# Altium PCB PA.PcbDoc (part 3 of 3)
Units mm, origin at the board's own origin, x right, y up, seen from the top; angles counter-clockwise.
Board outline 226 x 90 mm, 2 copper layers (Top Layer, Bottom Layer), stack 1.571 mm thick; 288 components, 121 nets, 837 pads, 1182 vias.
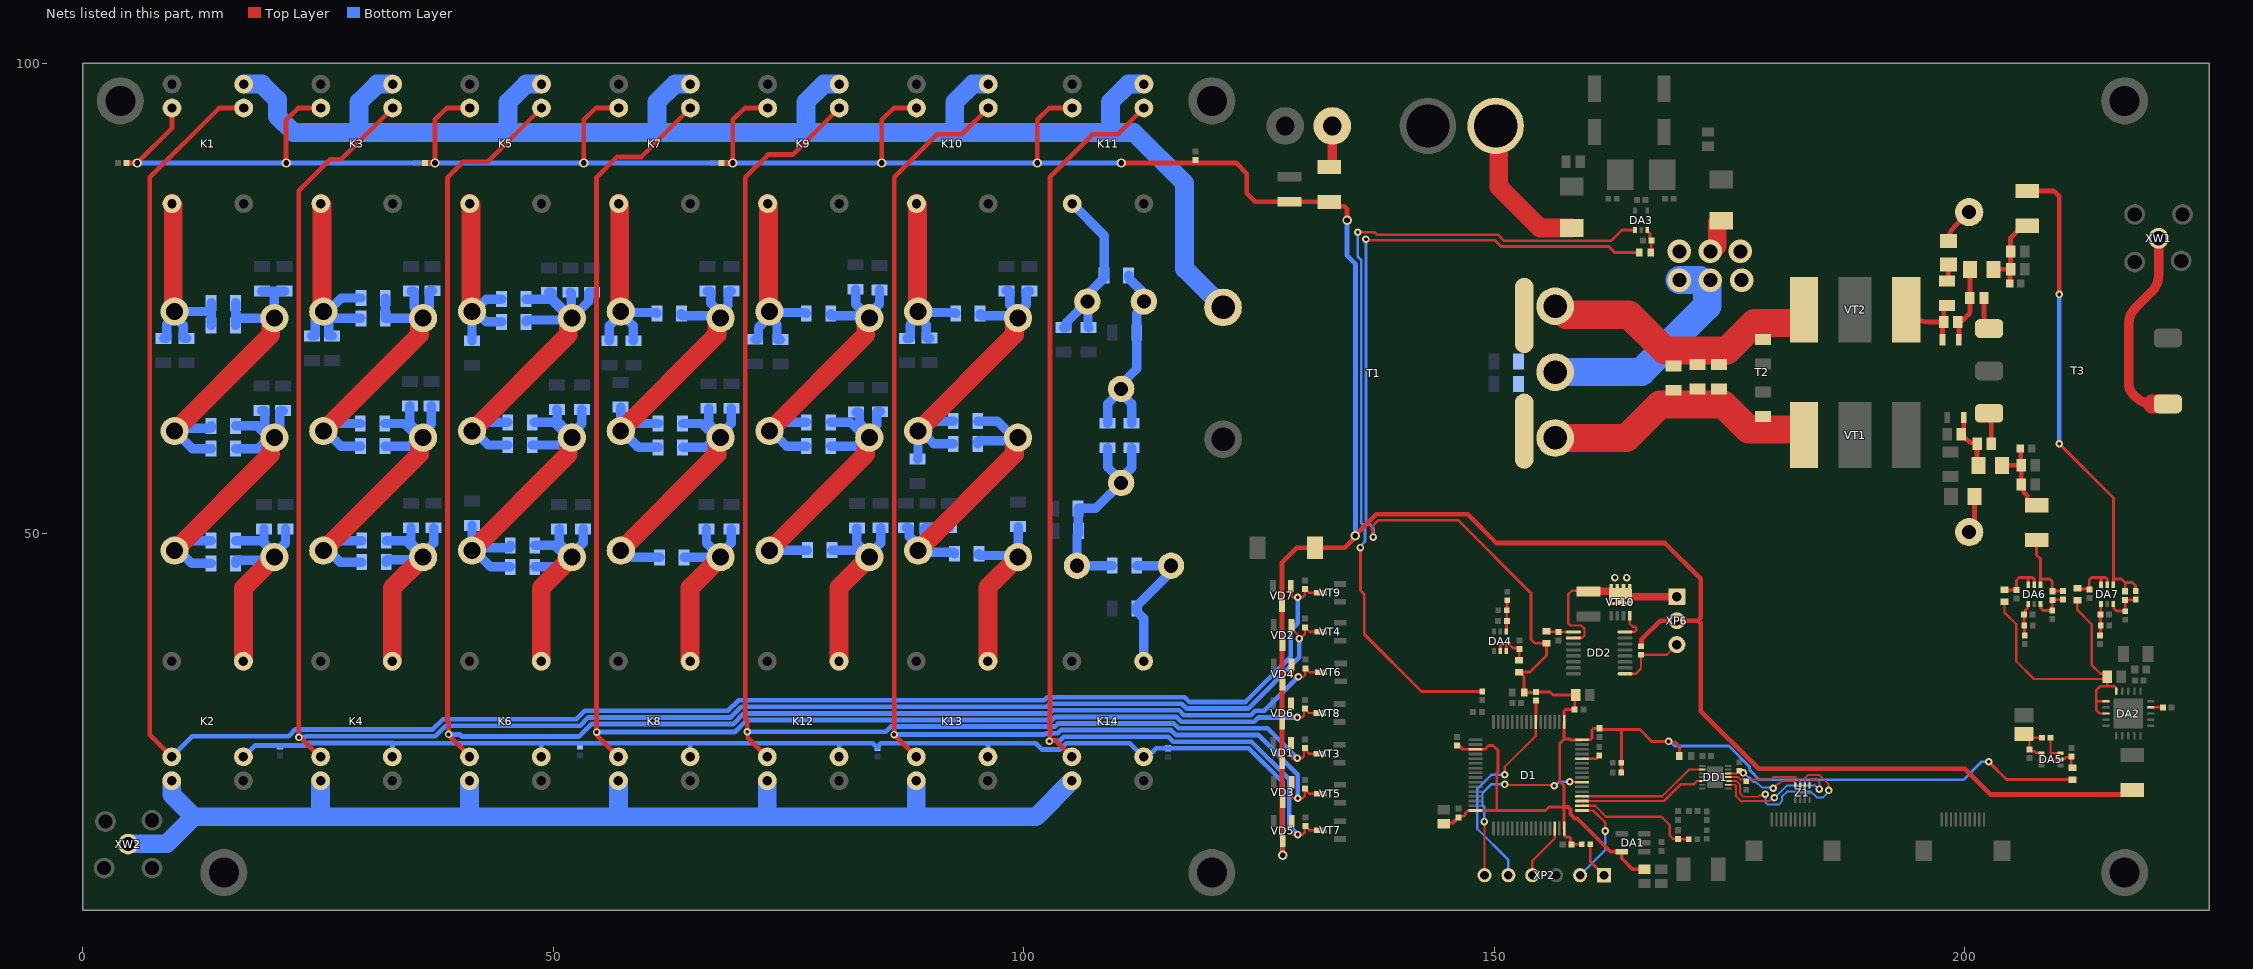
[diagram p3: the nets of this part, all layers, seen from the top]

## Via types
v1: diameter 0.8, hole 0.4, Top Layer to Bottom Layer, tented both sides, 1143 vias
v2: diameter 1, hole 0.6, Top Layer to Bottom Layer, tented both sides, 12 vias
v3: diameter 0.8, hole 0.4, Top Layer to Bottom Layer, 11 vias
v4: diameter 2.5, hole 1.5, Top Layer to Bottom Layer, tented both sides, 10 vias
v5: diameter 2.5, hole 1.5, Top Layer to Bottom Layer, 6 vias

## Nets (pads, with @x,y where several pads share a name; then routed paths per layer and width w, separated by ;. In a path a pad name is that pad's centre, name@x,y a point inside that pad or via, vN(x,y) a via of type N, cw(c..) or ccw(c..) an arc to the next point about the centre after c; other vN are vias at no path point) (continued)
NetC28_2: C28.2 DA3.3 L7.2 | length 2.6
  Top Layer w0.3: DA3.3@166.272,82.287 166.272,82.162 166.547,81.887 166.547,81.323 C28.2@166.717,81.153 166.692,81.127 166.692,79.908 L7.2@166.666,79.883
NetC29_2: C29.2 C36.1 R20.1 R22.1 | length 6.2
  Top Layer w0.5: R20.1@199.898,62.357 199.898,61.187 cw(c199.038,61.187) C29.2@199.646,60.579 200.196,60.029 ccw(c201.321,61.154) C36.1@201.321,59.563 201.321,57.603 ccw(c201.782,57.603) R22.1@201.456,57.277
NetC30_2: C30.2 C31.2 C32.2 C33.2 T1.1 T2.1 VT1.3 | length 29.6
  Top Layer w3: T2.1@156.478,60.183 164.069,60.183 167.64,63.754 169.037,63.754 173.877,63.754 174.371,63.754 177.038,61.087 182.915,61.087 VT1.3@182.915,60.482
NetC31_1: C31.1 C32.1 C33.1 C35.2 T1.2 T2.3 VT2.1 | length 31
  Top Layer w3: T2.3@156.504,74.202 156.73,74.202 157.653,73.279 164.338,73.279 168.148,69.469 174.752,69.469 177.673,72.39 182.915,72.39 VT2.1@182.915,73.803
NetC34_1: C34.1 C45.2 R21.2 VT2.3 | length 8.2
  Top Layer w0.5: VT2.3@193.795,73.803 194.337,73.261 ccw(c196.133,75.057) 196.133,72.517 C34.1@197.777,72.517 ; R21.2@197.64,70.612 197.64,72.186 cw(c198.108,72.186) C34.1@197.777,72.517 ; C45.2@198.134,74.265 ccw(c198.996,73.403) 197.777,73.403 C34.1@197.777,72.517
NetC34_2: C34.2 C44.1 R21.1 R23.1 | length 8.2
  Top Layer w0.5: R21.1@199.39,70.612 199.39,72.244 ccw(c199.004,72.244) C34.2@199.277,72.517 ccw(c199.277,73.403) 199.904,72.777 200.406,73.279 ccw(c200.037,73.648) 200.559,73.648 C44.1@200.559,75.057 200.567,75.065 R23.1@200.567,78.105
NetC36_2: C36.2 T3.1 | length 3.3
  Top Layer w0.5: T3.1@202.596,62.81 cw(c202.053,62.267) 202.821,62.267 C36.2@202.821,59.563
NetC37_2: C37.2 C38.2 C43.2 L8.2 R22.2 | length 9.1
  Top Layer w0.5: R22.2@203.956,57.277 C38.2@206.02,57.277 ; C43.2@205.916,59.055 205.968,59.003 205.968,57.329 C38.2@206.02,57.277 ; L8.2@207.659,53.031 207.159,53.031 206.659,53.531 206.659,54.031 206.27,54.42 206.27,54.995 C37.2@206.02,55.245 C38.2@206.02,57.277
NetC39_2: C39.2 C40.2 C142.2 L34.2 R23.2 | length 9
  Top Layer w0.5: R23.2@203.067,78.105 C39.2@204.877,78.105 ; C142.2@204.773,76.581 204.825,76.633 204.825,78.053 C39.2@204.877,78.105 ; L34.2@206.643,82.732 206.143,82.732 204.877,81.466 C40.2@204.877,80.01 C39.2@204.877,78.105
NetC41_2: C41.2 C42.2 L6.2 T2.2 | length 28.1
  Top Layer w2: v5(172.988,80.01) 173.146,80.01 173.713,80.577 L6.2@173.713,83.053
  Bottom Layer w2: T2.2@156.224,66.929 T2.2@156.478,67.183
  Bottom Layer w3: T2.2@156.478,67.183 165.622,67.183 172.636,74.197 172.636,76.171 171.845,76.962 v5(169.686,76.962)
  other v5: 172.988,76.962 176.29,76.962 169.686,80.01 176.163,80.01
NetC44_2: C44.2 T3.3 | length 3.4
  Top Layer w0.5: C44.2@202.059,75.057 202.059,73.106 ccw(c203.893,73.106) T3.3@202.596,71.81
NetC45_1: C45.1 R26.1 | length 1.8
  Top Layer w0.5: C45.1@198.134,76.865 ccw(c197.827,77.172) 198.261,77.172 R26.1@198.261,78.633
NetC46_1: C46.1 DA4.5 DA4.6 L9.2 | length 5
  Top Layer w0.3: DA4.5@150.636,37.55 150.686,37.6 150.686,38.164 150.876,38.354 151.194,38.354 ; DA4.6@151.286,37.55 151.286,38.261 151.194,38.354 ; L9.2@152.654,36.571 152.661,36.578 152.661,37.727 C46.1@152.668,37.734 152.556,37.846 152.019,37.846 151.511,38.354 151.194,38.354
NetC47_1: C47.1 DA4.1 R27.1 R28.2 | length 3.4
  Top Layer w0.3: DA4.1@151.286,39.6 151.318,39.632 151.318,40.702 C47.1@151.35,40.734 151.345,40.739 151.345,41.882 151.369,41.906 151.369,42.922 R27.1@151.398,42.951
NetC48_1: C48.1 DA5.5 DA5.6 L10.2 R29.1 | length 6.9
  Top Layer w0.25: R29.1@209.125,28.321 209.125,27.051 209.125,26.816 209.125,26.67 ; DA5.6@210.199,26.67 209.125,26.67 ; L10.2@211.469,25.141 211.342,25.268 C48.1@211.342,26.337 211.249,26.244 210.793,26.244 210.645,26.095 210.274,26.095 DA5.5@210.199,26.02 209.311,26.02 209.125,26.206 209.125,26.67
NetC49_1: C49.1 DA5.1 F1.1 R29.2 | length 5.4
  Top Layer w0.25: DA5.1@208.149,26.67 208.074,26.745 207.57,26.745 207.428,26.887 207.092,26.887 C49.1@206.897,27.082 206.897,28.114 F1.1@206.293,28.718 206.69,28.321 R29.2@208.225,28.321
NetC50_1: C50.1 C79.2 C91.2 K5.12 L17.1 | length 21.9
  Top Layer w2: K5.12@41.14,85.09 41.259,84.972 41.259,73.741 L17.1@41.377,73.622
  Bottom Layer w1: C50.1@41.369,70.515 41.373,70.519 41.373,73.618 L17.1@41.377,73.622 ; C91.2@44.514,72.517 42.887,72.517 41.781,73.622 L17.1@41.377,73.622 ; C79.2@44.514,74.93 42.887,74.93 41.579,73.622 L17.1@41.377,73.622
NetC51_1: C51.1 C52.1 C54.2 C55.2 K1.12 L11.1 | length 23.9
  Top Layer w2: K1.12@9.492,85.09 9.629,84.953 9.629,73.76 L11.1@9.766,73.622
  Bottom Layer w1: C52.1@8.603,70.769 8.878,70.769 8.953,70.844 8.953,72.268 9.766,73.081 10.699,72.149 10.699,70.844 10.774,70.769 C51.1@11.049,70.769 ; L11.1@9.766,73.622 13.615,73.622 13.653,73.66 ; C54.2@13.653,72.136 13.653,73.66 ; C55.2@13.653,74.549 13.653,73.66
NetC53_1: C53.1 C54.1 C55.1 C57.1 C58.2 C82.2 L11.2 L12.1 | length 37.3
  Top Layer w2: L12.1@9.766,60.922 19.99,71.146 19.99,72.533 L11.2@20.373,72.915
  Bottom Layer w1: C82.2@13.653,59.055 11.634,59.055 L12.1@9.766,60.922 10.039,61.195 13.578,61.195 13.653,61.27 C58.2@13.653,61.468 ; C54.1@16.253,72.136 16.253,73.343 ; C55.1@16.253,74.549 16.253,73.343 ; C57.1@19.05,75.789 20.256,75.789 ; C53.1@21.463,75.789 20.256,75.789 ; 16.253,73.343 16.68,72.915 L11.2@20.373,72.915 20.373,75.672 20.256,75.789
NetC56_1: C56.1 C79.1 C80.1 C81.1 C83.2 C84.2 C91.1 L17.2 L18.1 | length 46.3
  Top Layer w2: L18.1@41.377,60.922 51.601,71.146 51.601,72.533 L17.2@51.983,72.915
  Bottom Layer w1: C84.2@45.182,59.436 43.107,59.436 41.621,60.922 L18.1@41.377,60.922 41.918,60.922 42.845,61.849 C83.2@45.182,61.849 ; C91.1@47.114,72.517 47.114,72.641 47.189,72.716 51.784,72.716 L17.2@51.983,72.915 ; C79.1@47.114,74.93 49.756,74.93 51.77,72.915 L17.2@51.983,72.915 ; C80.1@49.53,75.662 49.805,75.662 49.88,75.587 49.88,75.019 L17.2@51.983,72.915 ; C81.1@51.816,75.662 51.825,75.662 51.9,75.587 51.9,72.999 L17.2@51.983,72.915 ; C56.1@54.102,75.662 53.864,75.662 53.789,75.587 53.789,74.721 L17.2@51.983,72.915
NetC58_1: C58.1 C59.1 C60.1 C61.2 C62.2 C82.1 L12.2 L13.1 | length 40.9
  Top Layer w2: L13.1@9.766,48.222 19.99,58.446 19.99,59.833 L12.2@20.373,60.215
  Bottom Layer w1: C62.2@13.653,46.863 11.578,46.863 10.219,48.222 L13.1@9.766,48.222 10.308,48.222 11.361,49.276 C61.2@13.653,49.276 ; C82.1@16.253,59.055 18.672,59.055 L12.2@19.832,60.215 ; C58.1@16.253,61.468 18.579,61.468 L12.2@19.832,60.215 ; C60.1@19.017,63.089 19.292,63.089 19.367,63.014 19.367,61.288 20.373,60.282 L12.2@20.373,60.215 ; C59.1@21.303,63.089 21.028,63.089 20.953,63.014 20.953,61.336 20.373,60.756 L12.2@20.373,60.215 ; L12.2@19.832,60.215 L12.2@20.373,60.215
NetC61_1: C61.1 C62.1 C63.1 C64.1 K2.12 L13.2 | length 27
  Top Layer w2: K2.12@17.082,36.449 17.082,44.224 L13.2@20.373,47.515
  Bottom Layer w1: C62.1@16.253,46.863 16.253,47.114 16.328,47.189 20.047,47.189 L13.2@20.373,47.515 ; C61.1@16.253,49.276 19.02,49.276 19.271,49.025 ; C64.1@19.271,50.516 19.271,49.025 ; C63.1@21.557,50.516 21.557,49.025 20.373,47.841 L13.2@20.373,47.515 ; 19.271,49.025 20.373,47.923 L13.2@20.373,47.515
NetC65_1: C65.1 C66.1 C67.2 C68.2 K3.12 L14.1 | length 26.9
  Top Layer w2: K3.12@25.316,85.09 25.444,84.962 25.444,73.75 L14.1@25.572,73.622
  Bottom Layer w1: C65.1@24.351,71.023 24.626,71.023 24.701,71.098 24.701,72.668 25.572,73.539 L14.1@25.572,73.622 ; C66.1@26.51,71.023 26.235,71.023 26.16,71.098 26.16,72.493 25.572,73.081 L14.1@25.572,73.622 ; C68.2@29.561,72.898 26.837,72.898 26.113,73.622 L14.1@25.572,73.622 ; C67.2@29.561,75.057 27.486,75.057 26.051,73.622 L14.1@25.572,73.622
NetC67_1: C67.1 C68.1 C69.1 C70.1 C71.1 C72.2 L14.2 L15.1 | length 38.5
  Top Layer w2: L15.1@25.572,60.922 35.796,71.146 35.796,72.533 L14.2@36.178,72.915
  Bottom Layer w1: C71.1@29.498,61.722 26.913,61.722 26.113,60.922 L15.1@25.572,60.922 25.84,60.922 27.453,59.309 C72.2@29.528,59.309 ; C67.1@32.161,75.057 C68.1@32.161,72.898 32.17,72.907 36.17,72.907 L14.2@36.178,72.915 ; C69.1@34.892,75.789 35.167,75.789 35.242,75.714 35.242,74.058 36.178,73.121 L14.2@36.178,72.915 ; C70.1@37.178,75.819 36.903,75.819 36.828,75.744 36.828,74.106 36.178,73.456 L14.2@36.178,72.915
NetC71_2: C71.2 C72.1 C73.1 C74.1 C75.2 C76.2 L15.2 L16.1 | length 41.3
  Top Layer w2: L16.1@25.572,48.222 35.796,58.446 35.796,59.833 L15.2@36.178,60.215
  Bottom Layer w1: C76.2@29.655,46.99 27.345,46.99 26.113,48.222 27.167,49.276 C75.2@29.655,49.276 ; C71.2@32.098,61.722 34.173,61.722 35.68,60.215 L15.2@36.178,60.215 ; C72.1@32.128,59.309 34.731,59.309 35.637,60.215 L15.2@36.178,60.215 ; C74.1@34.765,63.597 34.765,61.725 36.178,60.312 L15.2@36.178,60.215 ; C73.1@37.051,63.597 37.051,61.629 36.178,60.756 L15.2@36.178,60.215
NetC75_1: C75.1 C76.1 C77.1 C78.1 K4.12 L16.2 | length 28.6
  Top Layer w2: K4.12@32.906,36.449 32.906,44.243 L16.2@36.178,47.515
  Bottom Layer w1: C76.1@32.255,46.99 32.255,47.178 32.33,47.253 35.916,47.253 L16.2@36.178,47.515 ; C75.1@32.255,49.276 34.33,49.276 36.091,47.515 L16.2@36.178,47.515 ; C78.1@34.892,50.643 34.892,49.025 36.178,47.739 L16.2@36.178,47.515 ; C77.1@37.305,50.643 37.305,49.025 36.178,47.898 L16.2@36.178,47.515
NetC83_1: C83.1 C84.1 C85.1 C86.1 C87.2 C88.2 C89.1 L18.2 L19.1 | length 44.5
  Top Layer w2: L19.1@41.377,48.222 51.601,58.446 51.601,59.833 L18.2@51.983,60.215
  Bottom Layer w1: C86.1@41.369,50.897 41.373,50.893 41.373,48.226 L19.1@41.377,48.222 ; C88.2@45.436,46.482 43.361,46.482 41.621,48.222 L19.1@41.377,48.222 ; C87.2@45.436,48.768 45.436,48.57 45.361,48.495 41.65,48.495 L19.1@41.377,48.222 ; C84.1@47.782,59.436 50.663,59.436 51.442,60.215 L18.2@51.983,60.215 ; C83.1@48.003,61.849 50.078,61.849 51.712,60.215 L18.2@51.983,60.215 ; C89.1@50.386,63.216 50.419,63.183 50.419,61.976 51.983,60.412 L18.2@51.983,60.215 ; C85.1@53.053,63.216 53.053,61.725 51.983,60.655 L18.2@51.983,60.215
NetC87_1: C87.1 C88.1 C90.1 C92.1 K6.12 L19.2 | length 27.2
  Top Layer w2: K6.12@48.73,36.449 48.73,44.262 L19.2@51.983,47.515
  Bottom Layer w1: C88.1@48.036,46.482 50.409,46.482 51.442,47.515 50.189,48.768 C87.1@48.036,48.768 ; C90.1@50.64,50.516 50.64,49.025 51.983,47.681 L19.2@51.983,47.515 51.983,47.828 53.18,49.025 C92.1@53.18,50.516
NetC93_1: C93.1 C94.1 C95.2 K7.12 L20.1 | length 22.8
  Top Layer w2: K7.12@56.965,85.09 57.073,84.981 57.073,73.731 L20.1@57.182,73.622
  Bottom Layer w1: C93.1@55.974,70.515 55.974,72.113 57.182,73.321 L20.1@57.182,73.622 ; C94.1@58.514,70.515 58.514,72.113 57.182,73.445 L20.1@57.182,73.622 ; C95.2@61.024,73.406 61.024,73.439 60.949,73.514 57.29,73.514 L20.1@57.182,73.622
NetC95_1: C95.1 C96.1 C97.1 C98.2 C99.2 C100.1 L20.2 L21.1 | length 39
  Top Layer w2: L21.1@57.182,60.922 67.406,71.146 67.406,72.533 L20.2@67.789,72.915
  Bottom Layer w1: C96.1@57.15,63.47 57.166,63.454 57.166,60.938 L21.1@57.182,60.922 ; C99.2@61.151,59.182 59.076,59.182 57.336,60.922 L21.1@57.182,60.922 ; C98.2@61.151,61.722 58.523,61.722 57.723,60.922 L21.1@57.182,60.922 ; C95.1@63.624,73.406 63.624,73.236 63.699,73.161 67.543,73.161 L20.2@67.789,72.915 L20.2@67.789,73.456 ; C100.1@66.388,75.789 66.663,75.789 66.738,75.714 66.738,74.507 L20.2@67.789,73.456 ; C97.1@68.928,75.789 68.653,75.789 68.578,75.714 68.578,74.246 L20.2@67.789,73.456
NetC98_1: C98.1 C99.1 C101.1 C102.2 C103.1 L21.2 L22.1 | length 37
  Top Layer w2: L22.1@57.182,48.222 67.406,58.446 67.406,59.833 L21.2@67.789,60.215
  Bottom Layer w1: L22.1@57.182,48.222 57.723,48.222 58.448,47.498 C102.2@61.311,47.498 ; C99.1@63.751,59.182 66.214,59.182 67.247,60.215 L21.2@67.789,60.215 ; C98.1@63.751,61.722 65.826,61.722 67.333,60.215 L21.2@67.789,60.215 ; C101.1@66.515,63.343 66.515,61.725 L21.2@67.679,60.561 ; L21.2@67.789,60.451 L21.2@67.789,60.215 ; C103.1@68.928,63.343 68.928,61.725 67.789,60.586 L21.2@67.789,60.215
NetC102_1: C102.1 C104.1 C105.1 K8.12 L22.2 | length 23.4
  Top Layer w2: K8.12@64.555,36.449 64.555,44.281 L22.2@67.789,47.515
  Bottom Layer w1: C102.1@63.911,47.498 63.92,47.507 67.78,47.507 L22.2@67.789,47.515 ; C105.1@66.294,50.516 66.294,49.025 67.789,47.53 L22.2@67.789,47.515 ; C104.1@68.928,50.516 68.928,49.025 67.789,47.886 L22.2@67.789,47.515
NetC106_1: C106.1 C110.1 C111.2 K11.12 L23.1 | length 19.4
  Bottom Layer w1: C106.1@104.234,71.912 104.509,71.912 104.584,71.987 104.584,72.486 L23.1@106.774,74.676 ; K11.12@105.155,85.09 108.552,81.693 C111.2@108.552,77.47 108.552,77.195 107.118,75.761 107.118,75.02 L23.1@106.774,74.676 ; C110.1@106.901,71.912 106.838,71.976 106.838,74.612 L23.1@106.774,74.676
NetC107_1: C107.1 C109.1 C114.2 K10.12 L25.1 | length 21.5
  Top Layer w2: K10.12@88.613,85.09 88.703,85 88.703,73.712 L25.1@88.792,73.622
  Bottom Layer w1: C107.1@87.597,70.769 87.872,70.769 87.947,70.844 87.947,72.236 88.792,73.081 89.66,72.214 89.66,70.874 89.735,70.799 C109.1@90.01,70.799 ; L25.1@88.792,73.622 88.901,73.514 92.699,73.514 92.774,73.439 C114.2@92.774,73.406
NetC108_1: C108.1 C112.2 C113.1 K9.12 L24.1 | length 21.8
  Top Layer w2: K9.12@72.789,85.09 72.888,84.991 72.888,73.722 L24.1@72.987,73.622
  Bottom Layer w1: C113.1@71.468,70.672 71.743,70.672 71.818,70.747 71.818,71.912 72.987,73.081 73.785,72.283 73.785,70.717 73.86,70.642 C108.1@74.135,70.642 ; L24.1@72.987,73.622 73.095,73.514 76.824,73.514 76.899,73.439 C112.2@76.899,73.406
NetC111_1: C111.1 C116.1 C119.2 C120.2 L23.2 L26.1 | length 22.1
  Bottom Layer w1: C119.2@108.933,61.752 108.933,63.827 110.362,65.256 L26.1@110.362,65.405 ; C111.1@111.152,77.47 111.152,77.195 112.43,75.917 112.43,75.02 L23.2@112.774,74.676 112.774,74.189 112.011,73.426 C116.1@112.011,71.374 112.011,67.541 110.362,65.892 L26.1@110.362,65.405 ; C120.2@111.473,61.752 111.473,63.827 110.362,64.938 L26.1@110.362,65.405
NetC112_1: C112.1 C117.1 C122.1 C124.2 C125.2 L24.2 L27.1 | length 36.8
  Top Layer w2: L27.1@72.987,60.922 83.211,71.146 83.211,72.533 L24.2@83.594,72.915
  Bottom Layer w1: C124.2@76.899,59.309 74.824,59.309 73.211,60.922 L27.1@72.987,60.922 73.528,60.922 74.455,61.849 C125.2@76.899,61.849 ; C112.1@79.499,73.406 79.499,73.236 79.574,73.161 83.348,73.161 L24.2@83.594,72.915 ; C117.1@82.136,75.988 82.136,74.425 83.594,72.967 L24.2@83.594,72.915 ; C122.1@84.676,75.916 84.676,74.425 83.594,73.343 L24.2@83.594,72.915
NetC114_1: C114.1 C115.1 C118.1 C123.1 C126.2 C127.2 L25.2 L28.1 | length 38.7
  Top Layer w2: L28.1@88.792,60.922 99.016,71.146 99.016,72.533 L25.2@99.399,72.915
  Bottom Layer w1: C123.1@88.74,57.942 88.766,57.968 88.766,60.896 L28.1@88.792,60.922 ; C126.2@92.52,59.563 90.445,59.563 89.086,60.922 L28.1@88.792,60.922 ; C127.2@92.52,61.976 90.387,61.976 89.334,60.922 L28.1@88.792,60.922 ; C114.1@95.374,73.406 95.374,73.236 95.449,73.161 99.154,73.161 L25.2@99.399,72.915 L25.2@99.399,73.456 ; C115.1@98.163,75.813 98.438,75.813 98.513,75.738 98.513,74.342 L25.2@99.399,73.456 ; C118.1@100.617,75.789 100.342,75.789 100.267,75.714 100.267,74.324 L25.2@99.399,73.456
NetC119_1: C119.1 C120.1 C121.1 C128.1 C131.2 L26.2 L29.1 | length 24.2
  Bottom Layer w1: C119.1@108.933,59.152 108.933,57.077 110.362,55.648 L26.2@110.362,55.405 ; C131.2@109.411,46.609 L29.1@105.663,46.609 105.663,49.837 105.843,50.017 C121.1@105.843,50.292 105.816,50.32 105.816,52.677 C128.1@105.788,52.705 107.662,52.705 L26.2@110.362,55.405 ; C120.1@111.473,59.152 111.473,57.003 110.362,55.892 L26.2@110.362,55.405
NetC124_1: C124.1 C125.1 C129.1 C132.1 C135.2 L27.2 L30.1 | length 35.4
  Top Layer w2: L30.1@72.987,48.222 83.211,58.446 83.211,59.833 L27.2@83.594,60.215
  Bottom Layer w1: L30.1@72.987,48.222 73.006,48.241 77.007,48.241 C135.2@77.026,48.26 ; C124.1@79.499,59.309 82.146,59.309 83.053,60.215 L27.2@83.594,60.215 83.208,60.215 81.574,61.849 C125.1@79.499,61.849 ; C132.1@82.202,62.932 82.477,62.932 82.552,62.857 82.552,61.798 83.594,60.756 84.392,61.555 84.392,62.887 84.467,62.962 C129.1@84.742,62.962
NetC126_1: C126.1 C127.1 C130.1 C133.1 C136.2 C138.1 L28.2 L31.1 | length 37.5
  Top Layer w2: L31.1@88.792,48.222 99.016,58.446 99.016,59.833 L28.2@99.399,60.215
  Bottom Layer w1: C130.1@87.503,50.643 87.778,50.643 87.853,50.568 87.853,49.703 88.792,48.764 89.439,49.41 89.439,50.568 89.514,50.643 C133.1@89.789,50.643 C138.1@92.075,50.643 ; L31.1@88.792,48.222 88.964,48.051 92.572,48.051 92.647,47.976 C136.2@92.647,47.879 ; C126.1@95.12,59.563 95.12,59.814 95.195,59.889 99.073,59.889 L28.2@99.399,60.215 98.956,60.215 97.195,61.976 C127.1@95.12,61.976
NetC131_1: C131.1 C134.1 K14.12 L29.2 | length 15.4
  Bottom Layer w1: C134.1@112.011,42.037 112.011,41.762 112.745,41.028 K14.12@112.745,36.449 ; C134.1@112.011,42.312 115.319,45.62 115.319,46.265 L29.2@115.663,46.609 C131.1@112.011,46.609
NetC135_1: C135.1 C137.1 C139.1 K12.12 L30.2 | length 24
  Top Layer w2: K12.12@80.379,36.449 80.379,44.3 L30.2@83.594,47.515
  Bottom Layer w1: C135.1@79.626,48.26 82.308,48.26 83.053,47.515 L30.2@83.594,47.515 ; C139.1@82.263,50.613 82.263,49.025 83.594,47.694 L30.2@83.594,47.515 ; C137.1@84.803,50.643 84.803,49.025 83.594,47.816 L30.2@83.594,47.515
NetC136_1: C136.1 C140.1 K13.12 L31.2 | length 20
  Top Layer w2: K13.12@96.203,36.449 96.203,44.319 L31.2@99.399,47.515
  Bottom Layer w1: C136.1@95.247,47.879 95.247,47.772 95.322,47.697 99.217,47.697 L31.2@99.399,47.515 99.404,47.52 99.404,50.766 C140.1@99.408,50.77
NetC141_2: C141.2 DA6.5 DA6.6 L32.2 | length 5.7
  Top Layer w0.3: L32.2@204.23,44.064 204.251,44.043 205.478,44.043 205.5,44.064 205.5,45.05 205.789,45.339 206.756,45.339 ; DA6.6@206.755,44.586 206.755,45.338 206.756,45.339 ; DA6.5@207.405,44.586 207.391,44.6 207.391,45.163 207.215,45.339 206.756,45.339
NetC143_2: C143.2 DA6.1 R24.2 R25.1 | length 3.6
  Top Layer w0.3: R24.2@206.389,39.185 206.354,39.22 206.354,40.225 R25.1@206.32,40.259 206.315,40.264 206.315,41.397 C143.2@206.31,41.402 206.48,41.572 206.48,41.888 206.705,42.113 206.705,42.486 DA6.1@206.755,42.536
NetC144_2: C144.2 DA7.5 DA7.6 L33.2 | length 5.7
  Top Layer w0.3: L33.2@211.977,44.191 212.022,44.146 213.201,44.146 C144.2@213.247,44.1 213.247,45.099 213.487,45.339 214.503,45.339 ; DA7.6@214.502,44.586 214.502,45.338 214.503,45.339 ; DA7.5@215.152,44.586 215.152,45.163 214.976,45.339 214.503,45.339
NetC145_2: C145.2 DA7.1 R32.2 R33.1 | length 3.4
  Top Layer w0.3: R32.2@214.39,39.185 214.419,39.214 214.419,40.23 R33.1@214.448,40.259 214.443,40.264 214.443,41.397 C145.2@214.438,41.402 214.47,41.434 214.47,42.504 DA7.1@214.502,42.536
NetC146_1: C146.1 DA6.4 L8.1 R31.2 | length 8.5
  Top Layer w0.3: L8.1@207.659,49.331 207.645,49.317 207.645,47.752 208.055,47.342 208.055,45.212 ; DA6.4@208.055,44.586 208.055,45.212 ; R31.2@210.453,43.914 210.443,43.904 209.32,43.904 C146.1@209.31,43.894 209.31,44.944 209.042,45.212 208.055,45.212
NetC146_2: C146.2 DA6.3 R30.2 R31.1 | length 4.1
  Top Layer w0.3: DA6.3@208.055,42.536 208.105,42.486 208.105,42.086 208.339,41.852 R30.2@209.31,41.852 C146.2@209.31,42.974 209.33,42.994 210.433,42.994 R31.1@210.453,43.014
NetC147_1: C147.1 DA7.4 L34.1 R35.2 | length 51.5
  Top Layer w0.3: v1(210.058,59.563) 215.802,53.819 215.802,45.212 ; DA7.4@215.802,44.586 215.802,45.212 ; C147.1@217.057,43.894 217.057,44.817 ; R35.2@218.2,43.914 218.148,43.966 218.148,44.488 217.819,44.817 217.057,44.817 ; 215.802,45.212 216.662,45.212 217.057,44.817
  Top Layer w0.5: L34.1@206.643,86.432 209.478,86.432 210.058,85.852 v1(210.058,75.438)
  Bottom Layer w0.5: v1(210.058,59.563) v1(210.058,75.438)
NetC147_2: C147.2 DA7.3 R34.2 R35.1 | length 4.2
  Top Layer w0.3: DA7.3@215.802,42.536 215.852,42.486 215.852,42.085 216.154,41.783 R34.2@217.057,41.783 C147.2@217.057,42.974 217.077,42.994 218.18,42.994 R35.1@218.2,43.014
NetC156_2: C156.2 DA2.14 | length 1.2
  Top Layer w0.25: DA2.14@219.769,31.549 220.848,31.549 C156.2@220.901,31.496
NetC165_2: C165.2 DD2.9 L36.2 | length 2.9
  Top Layer w0.25: L36.2@155.575,39.619 155.596,39.598 156.823,39.598 C165.2@156.845,39.576 156.853,39.568 158.405,39.568 DD2.9@158.413,39.56
NetC166_2: C166.2 DD2.10 VT10.D XP6.1 | length 19
  Top Layer w0.25: DD2.10@158.413,38.925 158.434,38.947 159.343,38.947 159.593,39.197 159.593,39.924 159.258,40.259 158.115,40.259 157.861,40.513 157.861,43.561 158.242,43.942 159.948,43.942 C166.2@160.02,43.87
  Top Layer w0.8: C166.2@160.02,43.87 162.567,43.87 163.122,43.315 VT10.D@163.422,43.315 163.426,43.311 169.414,43.311 XP6.1@169.418,43.307
  other v1: 162.687,42.926 164.084,42.926 162.831,45.345 164.101,45.345
NetD1_7: D1.7 R13.1 XP2.5 | length 23.3
  Top Layer w0.25: v1(151.13,24.384) 151.13,25.243 154.434,28.547 D1.7@154.434,30.021
  Top Layer w0.3: D1.7@154.434,30.021 R13.1@154.434,32.271
  Bottom Layer w0.25: v1(151.13,24.384) 149.703,24.384 148.209,22.89 148.209,18.65 151.511,15.348 XP2.5@151.511,13.716
NetD1_60: D1.60 R14.1 | length 2
  Top Layer w0.3: D1.60@159.354,26.101 160.837,26.101 R14.1@161.177,26.441
NetDA3_1: DA3.1 R18.2 | length 88.8
  Top Layer w0.3: v1(135.509,82.042) 137.287,82.042 137.541,81.788 150.406,81.788 151.062,81.133 162.413,81.133 163.567,82.287 DA3.1@164.972,82.287 ; v1(135.786,48.537) 135.786,43.96 136.188,43.558 136.188,39.326 142.273,33.241 R18.2@148.731,33.241
  Bottom Layer w0.3: v1(135.509,82.042) 135.509,79.458 135.867,79.1 135.867,51.172 136.284,50.755 136.284,49.17 135.786,48.673 v1(135.786,48.537)
NetDD2_1: DD2.1 R36.1 XP6.3 | length 7.6
  Top Layer w0.25: DD2.1@163.913,35.115 165.036,35.115 165.608,35.687 R36.1@165.608,37.142 168.333,37.142 XP6.3@169.418,38.227
NetDD2_8: DD2.8 VT10.G | length 3.2
  Top Layer w0.25: DD2.8@163.913,39.56 163.934,39.582 164.931,39.582 165.1,39.751 165.1,39.986 164.954,40.132 164.719,40.132 164.412,40.439 VT10.G@164.412,41.275
NetK2_6: K2.6 K4.6 K6.6 K8.6 K12.6 K13.6 K14.6 XW2.1 | length 127.3
  Bottom Layer w2: XW2.1@4.826,17.018 4.862,17.054 8.926,17.054 11.811,19.939 ; K2.6@9.462,23.749 9.462,22.288 11.811,19.939 ; K4.6@25.286,23.749 25.286,20.18 25.527,19.939 ; K6.6@41.11,23.749 41.11,20.282 40.767,19.939 ; K8.6@56.935,23.749 56.935,20.027 57.023,19.939 ; K12.6@72.759,23.749 72.759,20.205 73.025,19.939 ; K13.6@88.583,23.749 88.583,20.002 88.646,19.939 ; K14.6@105.125,23.749 101.315,19.939 88.646,19.939 ; 11.811,19.939 25.527,19.939 ; 25.527,19.939 40.767,19.939 ; 40.767,19.939 57.023,19.939 ; 57.023,19.939 73.025,19.939 ; 73.025,19.939 88.646,19.939
NetL2_1: L2.1 XP5.1 | length 4.6
  Top Layer w1: L2.1@132.475,88.972 132.552,88.972 132.802,89.222 XP5.1@132.802,93.345
NetR8_2: R8.2 XP2.1 | length 3.9
  Top Layer w0.3: R8.2@160.216,17.018 160.216,15.171 XP2.1@161.671,13.716
NetR19_2: R19.2 T2.4 | length 3.9
  Top Layer w0.5: T2.4@200.478,50.183 ccw(c199.133,51.528) 201.035,51.528 R19.2@201.035,53.975
NetR26_2: R26.2 T2.5 | length 3.9
  Top Layer w0.5: R26.2@198.261,81.133 cw(c200.272,81.133) 198.85,82.555 T2.5@200.478,84.183
NetT3_5: T3.5 XW1.1 | length 21.8
  Top Layer w1: 219.944,63.81 cw(c219.944,66.35) 218.148,64.554 217.932,64.77 cw(c219.158,65.996) 217.424,65.996 217.424,72.227 cw(c219.964,72.227) 218.168,74.023 219.869,75.724 ccw(c218.073,77.52) 220.613,77.52 XW1.1@220.613,81.407
  Top Layer w2: 219.944,63.81 T3.5@221.596,63.81
PA_OUT: K1.6 K3.6 K5.6 K7.6 K9.6 K10.6 K11.6 T1.4 | length 165.8
  Bottom Layer w2: K1.6@17.112,97.79 19.047,97.79 20.694,96.142 20.694,94.368 22.415,92.647 29.381,92.647 ; K3.6@32.936,97.79 31.286,97.79 29.381,95.885 29.381,92.647 ; K5.6@48.76,97.79 47.11,97.79 45.205,95.885 45.205,92.647 ; K7.6@64.585,97.79 62.935,97.79 61.03,95.885 61.03,92.647 ; K9.6@80.409,97.79 78.759,97.79 76.854,95.885 76.854,92.647 ; K10.6@96.233,97.79 94.583,97.79 92.678,95.885 92.678,92.647 ; K11.6@112.775,97.79 111.125,97.79 109.22,95.885 109.22,92.647 ; T1.4@121.19,74.056 117.094,78.152 117.094,87.249 111.697,92.647 109.22,92.647 ; 29.381,92.647 45.205,92.647 ; 45.205,92.647 61.03,92.647 ; 61.03,92.647 76.854,92.647 ; 76.854,92.647 92.678,92.647 ; 92.678,92.647 109.22,92.647
RELAY0: C152.2 K11.5 K14.5 VD5.1 VT7.3 | length 115.1
  Top Layer w0.25: VD5.1@128.472,19.466 128.472,18.18 128.618,18.034 v1(129.133,18.034) 129.648,18.034 129.857,18.243 129.857,18.86 C152.2@129.935,18.938 130.364,18.509 VT7.3@131.518,18.509
  Top Layer w0.5: v1(102.743,27.961) 102.792,28.01 103.404,28.01 K14.5@105.125,26.289 ; v1@102.796,28.014 102.793,28.017 102.793,87.884 107.365,92.456 109.981,92.456 K11.5@112.775,95.25
  Bottom Layer w0.5: v1(102.743,27.961) 102.8,28.018 103.813,28.018 104.234,28.439 115.362,28.439 115.892,27.909 124.211,27.909 128.208,23.912 128.208,18.959 v1(129.133,18.034)
RELAY1: C150.2 K10.5 K13.5 VD3.1 VT5.3 | length 128.5
  Top Layer w0.25: VD3.1@128.472,23.337 128.472,22.051 128.618,21.905 v1(129.133,21.905) 129.648,21.905 129.857,22.114 129.857,22.731 129.935,22.809 130.364,22.38 VT5.3@131.518,22.38
  Top Layer w0.5: v1(86.233,28.661) v1@86.29,28.661 ; K13.5@88.583,26.289 86.29,28.582 v1@86.29,28.661 ; K10.5@96.233,95.25 93.439,92.456 90.823,92.456 86.251,87.884 86.251,28.7 v1@86.29,28.661
  Bottom Layer w0.5: v1(86.233,28.661) 102.241,28.661 102.391,28.811 103.616,28.811 103.944,29.139 115.652,29.139 116.166,28.625 124.918,28.625 129.133,24.41 v1(129.133,21.905)
RELAY2: C148.2 K9.5 K12.5 VD1.1 VT3.3 | length 141.3
  Top Layer w0.25: VD1.1@128.413,27.594 128.413,26.308 128.559,26.162 v1(129.074,26.162) 129.589,26.162 129.798,26.371 129.798,26.988 129.876,27.066 130.305,26.637 VT3.3@131.459,26.637
  Top Layer w0.5: K12.5@72.759,26.289 72.71,26.289 70.669,28.33 70.669,28.899 v1(70.612,28.956) 70.612,30.171 70.427,30.356 70.427,87.884 72.84,90.297 75.456,90.297 K9.5@80.409,95.25
  Bottom Layer w0.5: v1(70.612,28.956) 85.326,28.956 85.881,29.511 103.326,29.511 103.655,29.839 115.942,29.839 116.456,29.325 125.911,29.325 v1(129.074,26.162)
RELAY3: C153.2 K7.5 K8.5 VD6.1 VT8.3 | length 156.4
  Top Layer w0.25: VD6.1@128.413,31.912 128.413,30.626 128.559,30.48 v1(129.074,30.48) 129.589,30.48 129.798,30.689 129.798,31.306 129.876,31.384 130.305,30.955 VT8.3@131.459,30.955
  Top Layer w0.5: K8.5@56.935,26.289 56.915,26.289 54.667,28.537 54.667,28.876 v1(54.61,28.933) 54.61,87.892 56.761,90.043 59.378,90.043 K7.5@64.585,95.25
  Bottom Layer w0.5: v1(54.61,28.933) 69.289,28.933 70.567,30.211 103.036,30.211 103.365,30.539 116.232,30.539 116.746,30.025 124.503,30.025 124.958,30.48 v1(129.074,30.48)
RELAY4: C151.2 K5.5 K6.5 VD4.1 VT6.3 | length 174.4
  Top Layer w0.25: VD4.1@128.54,36.23 128.54,34.944 128.686,34.798 v1(129.201,34.798) 129.716,34.798 129.925,35.007 129.925,35.624 130.003,35.702 130.432,35.273 VT6.3@131.586,35.273
  Top Layer w0.5: v1@38.862,28.675 38.862,28.621 41.11,26.372 K6.5@41.11,26.289 ; v1(38.889,28.675) 38.889,29.964 38.778,30.075 38.778,87.884 40.429,89.535 43.045,89.535 K5.5@48.76,95.25
  Bottom Layer w0.5: v1(38.889,28.675) 40.062,28.675 40.289,28.448 52.7,28.448 54.035,29.783 69.149,29.783 70.277,30.911 102.746,30.911 103.075,31.239 116.522,31.239 117.036,30.725 124.145,30.725 124.6,31.18 125.583,31.18 v1(129.201,34.798)
RELAY5: C149.2 K3.5 K4.5 VD2.1 VT4.3 | length 192.4
  Top Layer w0.25: VD2.1@128.506,40.548 128.506,39.895 129.181,39.22 129.181,38.967 v1(129.286,38.862) 129.395,38.862 129.891,39.358 129.891,39.858 129.969,39.936 129.969,40.02 130.398,39.591 VT4.3@131.552,39.591
  Top Layer w0.5: v1(22.987,28.36) 22.954,28.393 22.954,86.454 26.289,89.789 27.475,89.789 K3.5@32.936,95.25 ; v1@23.064,28.435 25.21,26.289 K4.5@25.286,26.289
  Bottom Layer w0.5: v1(22.987,28.36) 23.044,28.417 23.617,28.417 23.672,28.472 37.484,28.472 38.603,29.591 52.853,29.591 53.745,30.483 68.859,30.483 69.987,31.611 102.456,31.611 102.785,31.939 116.812,31.939 117.326,31.425 123.855,31.425 129.286,36.856 v1(129.286,38.862)
RELAY6: C154.2 K1.5 K2.5 VD7.1 VT9.3 | length 211.3
  Top Layer w0.25: VD7.1@128.472,44.678 128.472,43.392 128.618,43.246 v1(129.133,43.246) 129.648,43.246 129.857,43.455 129.857,44.072 129.935,44.15 130.364,43.721 VT9.3@131.518,43.721
  Top Layer w0.5: K2.5@9.462,26.289 7.13,28.621 7.13,87.884 14.496,95.25 K1.5@17.112,95.25
  Bottom Layer w0.5: K2.5@9.462,26.289 11.653,28.48 21.876,28.48 22.606,29.21 37.211,29.21 38.292,30.291 52.477,30.291 53.369,31.183 68.569,31.183 69.697,32.311 102.166,32.311 102.495,32.639 117.102,32.639 117.616,32.125 123.565,32.125 128.397,36.957 128.397,39.745 129.133,40.481 v1(129.133,43.246)
RS422_RX: D1.52 DD1.2 | length 13.9
  Top Layer w0.2: 170.7,24.934 DD1.2@172.094,24.934
  Top Layer w0.25: D1.52@159.354,22.101 167.867,22.101 170.7,24.934
RS422_TX: D1.51 DD1.5 | length 13.6
  Top Layer w0.2: 171.445,23.628 171.551,23.734 DD1.5@172.094,23.734
  Top Layer w0.25: D1.51@159.354,21.601 168.032,21.601 169.799,23.368 171.184,23.368 171.445,23.628
RS422A: DD1.12 R9.1 Z1.8 | length 8.8
  Top Layer w0.2: DD1.12@174.884,24.534 175.736,24.534 R9.1@176.029,24.827 176.265,24.591 v1(176.477,24.591) ; v1(179.651,22.97) 179.673,22.97 180.157,23.454 180.299,23.454 180.594,23.749 181.873,23.749 181.99,23.632 181.99,23.266 Z1.8@182.015,23.241
  Bottom Layer w0.2: v1(176.477,24.591) 176.527,24.591 176.997,24.121 177.139,24.121 177.304,23.956 177.304,23.823 177.503,23.625 177.805,23.625 178.025,23.404 178.102,23.404 178.487,23.019 179.602,23.019 v1(179.651,22.97)
RS422B: DD1.11 R12.2 Z1.7 | length 8.6
  Top Layer w0.2: DD1.11@174.884,24.134 175.941,24.134 176.184,23.891 176.584,23.891 R12.2@176.784,23.691 176.984,23.891 179.382,23.891 179.64,24.149 182.039,24.149 182.49,23.698 182.49,23.266 Z1.7@182.515,23.241
RS422Y: DD1.9 Z1.5 | length 14.4
  Top Layer w0.2: DD1.9@174.884,23.334 175.585,23.334 175.702,23.217 175.702,22.085 176.234,21.553 176.4,21.553 176.466,21.619 179.284,21.619 179.615,21.95 v1(179.778,21.95) ; Z1.5@183.515,23.241 183.515,23.749 183.642,23.876 184.277,23.876 184.557,23.596 v1(184.557,22.874)
  Bottom Layer w0.2: v1(179.778,21.95) 179.805,21.95 181.095,23.241 184.14,23.241 184.506,22.874 v1(184.557,22.874)
RS422Z: DD1.10 Z1.6 | length 19
  Top Layer w0.2: DD1.10@174.884,23.734 175.75,23.734 176.122,23.362 176.122,22.428 176.495,22.056 178.05,22.056 178.198,22.204 178.701,22.204 v1(178.816,22.319) ; Z1.6@183.015,23.241 183.015,24.011 183.388,24.384 184.531,24.384 185.547,23.368 v1(185.547,22.733)
  Bottom Layer w0.2: v1(178.816,22.319) 178.816,21.463 179.06,21.219 180.218,21.219 180.604,21.605 180.604,22.086 181.124,22.606 183.648,22.606 184.272,21.982 184.958,21.982 185.547,22.571 v1(185.547,22.733)
SWCLK: D1.49 XP2.2 | length 9.7
  Top Layer w0.25: D1.49@159.354,20.601 160.501,20.601 161.798,19.304 v1(161.798,18.415)
  Bottom Layer w0.25: XP2.2@159.131,13.716 161.805,16.39 161.805,18.408 v1(161.798,18.415)
SWDIO: D1.46 XP2.4 | length 6
  Top Layer w0.25: XP2.4@154.051,13.716 154.051,15.24 156.434,17.623 D1.46@156.434,18.681
SWO: D1.55 XP2.6 | length 20.1
  Top Layer w0.25: XP2.6@148.971,13.716 v1@148.971,19.431 ; v1(151.13,23.368) 151.2,23.298 156.306,23.298 v1(156.376,23.228) ; v1(158.042,23.661) 158.087,23.616 159.339,23.616 D1.55@159.354,23.601
  Bottom Layer w0.25: v1(148.958,19.418) 148.958,20.959 148.754,21.163 148.754,22.466 149.656,23.368 v1(151.13,23.368) ; v1(156.376,23.228) 156.525,23.228 156.957,23.661 v1(158.042,23.661)
TX_FAIL: C8.2 D1.50 R4.2 | length 13.5
  Top Layer w0.25: D1.50@159.354,21.101 160.733,21.101 161.895,19.939 167.767,19.939 168.656,19.05 168.656,17.941 168.996,17.6 169.519,17.6 169.569,17.55 170.653,17.55 R4.2@170.677,17.526
VDD_3V3: C2.2 C3.2 C15.2 C16.2 C17.2 C18.2 C19.2 C20.2 D1.1 D1.19 D1.32 D1.48 D1.64 DA1.5 L3.1 L4.2 L7.1 L9.1 L10.1 L36.1 R6.2 R7.2 R8.1 R13.2 | length 223.3
  Top Layer w0.3: v1(136.366,81.292) 136.462,81.196 136.792,81.196 150.071,81.196 150.749,80.518 162.179,80.518 162.814,79.883 L7.1@165.406,79.883 ; v1(137.16,49.657) 137.064,49.753 137.064,50.417 137.02,50.461 137.02,50.761 137.707,51.448 146.164,51.448 153.924,43.688 153.924,38.784 154.349,38.359 L36.1@155.575,38.359 155.575,37.084 153.802,35.311 152.729,35.311 153.143,34.897 153.143,34.822 153.171,34.794 L4.2@153.171,33.114 153.206,33.149 154.411,33.149 R13.2@154.446,33.183 155.92,33.183 156.243,32.86 C20.2@158.649,32.86 ; C16.2@146.191,19.875 146.295,19.979 146.763,19.979 146.939,20.155 146.939,20.32 147.21,20.591 D1.32@148.004,20.591 ; C17.2@146.191,27.574 146.664,27.101 D1.19@148.014,27.101 148.024,27.111 149.028,27.111 149.058,27.141 149.065,27.141 149.357,27.433 149.368,27.433 149.443,27.508 149.886,27.508 150.392,27.001 150.392,24.707 150.281,24.596 150.281,20.589 ; D1.32@148.026,20.589 150.281,20.589 ; D1.1@157.434,30.021 157.434,28.194 ; D1.1@157.434,30.616 157.434,31.16 157.61,31.336 C19.2@158.558,31.336 C20.2@158.558,32.606 ; D1.64@158.759,28.101 158.143,28.101 158.05,28.194 157.434,28.194 ; D1.64@158.835,28.101 158.845,28.091 159.344,28.091 D1.64@159.354,28.101 ; R8.1@159.316,17.018 159.3,17.002 158.225,17.002 C15.2@158.208,16.985 158.114,17.079 158.114,17.654 157.988,17.78 157.62,17.78 157.444,17.956 157.444,18.671 D1.48@157.434,18.681 157.434,20.798 ; D1.64@159.949,28.111 160.225,28.111 160.401,28.287 160.401,29.159 160.577,29.335 C18.2@161.177,29.335 161.315,29.197 163.576,29.197 ; R6.2@163.518,24.638 R7.2@163.518,25.654 163.518,29.139 163.576,29.197 ; L3.1@169.691,26.383 169.681,26.393 169.681,27.423 169.26,27.844 168.625,27.844 v1(168.529,27.94) 166.745,27.94 165.488,29.197 163.576,29.197 ; v1(202.565,25.781) 204.465,23.881 L10.1@211.469,23.881 ; 150.281,20.589 155.463,20.589 155.829,20.955 157.277,20.955 157.434,20.798 ; 157.434,20.798 157.434,23.221 156.972,23.683 156.972,27.732 157.434,28.194
  Top Layer w0.4: C2.2@144.653,19.189 144.768,19.304 145.62,19.304 C16.2@146.191,19.875 ; 157.277,20.955 157.861,20.955 158.115,20.701 158.115,20.193 158.568,19.74 158.822,19.74 162.353,16.209 DA1.5@163.552,16.209 163.552,15.518 164.731,14.339 C3.2@165.989,14.339
  Bottom Layer w0.3: v1(136.366,81.292) 136.367,81.291 136.367,51.379 137.16,50.586 v1(137.16,49.657) ; v1(168.529,27.94) 168.664,27.94 169.172,27.432 174.945,27.432 177.157,25.22 177.157,24.908 178.211,23.854 199.876,23.854 201.803,25.781 v1(202.565,25.781)
VDD_5V0: C155.2 DA2.1 DA2.3 DA2.20 L32.1 L33.1 | length 35.1
  Top Layer w0.25: L32.1@204.23,42.804 204.23,41.642 205.486,40.386 205.486,36.449 207.372,34.563 214.915,34.563 C155.2@215.15,34.798 ; L33.1@211.977,42.931 211.977,41.896 213.487,40.386 213.487,36.068 214.421,35.134 214.814,35.134 C155.2@215.15,34.798 ; DA2.3@215.019,30.899 214.338,30.899 213.995,31.242 213.995,32.199 ; DA2.1@215.019,32.199 213.995,32.199 ; DA2.20@216.094,33.274 216.094,33.636 215.948,33.782 215.162,33.782 ; 213.995,32.199 213.995,33.401 214.376,33.782 215.162,33.782 ; C155.2@215.15,34.798 215.15,33.794 215.162,33.782
VDD_12V: C6.2 C7.2 C157.2 C158.2 C159.2 C160.2 C161.2 C162.2 C163.2 C164.2 K1.8 K2.8 K3.8 K4.8 K5.8 K6.8 K7.8 K8.8 K9.8 K10.8 K11.8 K12.8 K13.8 K14.8 L2.2 L35.1 R36.2 VD1.3 VD2.3 VD3.3 VD4.3 VD5.3 VD6.3 VD7.3 XP6.2 | length 512.5
  Top Layer w0.5: C163.2@4.651,89.408 v2(5.791,89.408) 9.492,93.109 K1.8@9.492,95.25 ; v2(21.615,89.408) 21.615,93.98 22.885,95.25 K3.8@25.316,95.25 ; C161.2@36.401,89.408 v2(37.44,89.408) 37.44,93.98 38.71,95.25 K5.8@41.14,95.25 ; v2(53.264,89.408) 53.264,93.98 54.534,95.25 K7.8@56.965,95.25 ; C162.2@67.897,89.408 v2(69.088,89.408) 69.088,93.98 70.358,95.25 K9.8@72.789,95.25 ; v2(84.912,89.408) 84.912,93.98 86.182,95.25 K10.8@88.613,95.25 ; v2(101.454,89.408) 101.454,93.98 102.724,95.25 K11.8@105.155,95.25 ; v2(110.363,89.408) 122.568,89.408 123.698,88.278 123.698,86.201 124.61,85.289 C7.2@128.27,85.289 131.569,85.289 132.049,84.809 134.073,84.809 134.366,84.517 v2(134.366,83.312) ; v2(127.539,15.844) 127.53,15.853 127.53,17.358 VD5.3@127.522,17.366 127.522,17.716 127.447,17.791 VD7.3@127.447,42.35 127.447,46.929 129.032,48.514 C6.2@130.939,48.514 134.112,48.514 135.255,49.657 135.255,49.844 137.481,52.07 147.193,52.07 150.241,49.022 168.148,49.022 171.958,45.212 171.958,41.06 171.665,40.767 ; R36.2@165.608,38.042 165.658,38.092 165.658,38.785 167.64,40.767 XP6.2@169.418,40.767 171.665,40.767 ; L35.1@217.805,22.788 217.305,22.288 202.756,22.288 200.025,25.019 178.093,25.019 171.958,31.154 171.958,40.474 171.665,40.767
  Bottom Layer w0.5: v2(5.791,89.408) v2(21.615,89.408) v2(37.44,89.408) v2(53.264,89.408) v2(69.088,89.408) v2(84.912,89.408) v2(101.454,89.408) v2(110.363,89.408) ; K2.8@17.082,26.289 17.115,26.289 18.336,27.51 C159.2@20.955,27.51 ; C159.2@20.955,27.454 21.262,27.454 21.318,27.51 23.7,27.51 23.962,27.772 32.888,27.772 32.921,27.739 ; K4.8@32.906,26.289 32.921,26.304 32.921,27.739 ; K6.8@48.73,26.289 48.73,27.652 48.643,27.739 ; K8.8@64.555,26.289 64.555,27.652 64.642,27.739 ; K12.8@80.379,26.289 80.391,26.301 80.391,27.664 ; K13.8@96.203,26.289 96.203,27.664 96.128,27.739 ; v2@127.508,15.875 127.508,23.622 123.921,27.209 115.386,27.209 115.316,27.279 115.246,27.209 114.071,27.209 113.151,26.289 112.718,26.289 112.718,26.316 111.295,27.739 104.524,27.739 103.86,27.075 101.957,27.075 101.293,27.739 96.128,27.739 ; v2(134.366,83.312) 134.366,79.568 135.267,78.667 135.267,49.796 v2(135.255,49.784) ; 32.921,27.739 48.643,27.739 ; 48.643,27.739 64.642,27.739 ; 64.642,27.739 80.391,27.739 83.973,27.739 C157.2@84.455,27.257 84.525,27.327 84.525,27.446 84.818,27.739 96.128,27.739
VDD_28V: L5.1 XP1.1 | length 16.2
  Top Layer w2: XP1.1@150.158,93.345 150.495,93.008 150.495,86.868 154.88,82.483 L5.1@158.23,82.483
pads on no net: D1.2 D1.3 D1.4 D1.5 D1.6 D1.8 D1.9 D1.10 D1.11 D1.17 D1.27 D1.30 D1.33 D1.34 D1.35 D1.36 D1.37 D1.38 D1.39 D1.40 D1.41 D1.42 D1.43 D1.44 D1.45 D1.54 D1.56 D1.57 D1.61 D1.62 DA1.4 DA2.2 DA2.4 DA2.5 DA2.8 DA2.9 DA2.11 DA2.12 DD1.7 DD1.13 DD2.6 DD2.7 DD2.11 DD2.12 DD2.13 DD2.14 DD2.15 DD2.16 K1.1 K2.1 K3.1 K4.1 K5.1 K6.1 K7.1 K8.1 K9.1 K10.1 K11.1 K12.1 K13.1 K14.1 T3.2 VD1.2 VD2.2 VD3.2 VD4.2 VD5.2 VD6.2 VD7.2 XP3.0 XP4.0

## Polygon pours and split planes (outlines as drawn)
GND on Top Layer "GND_L01_P000" (solid, remove dead copper, pour order 0): -0.127,10.033 225.933,10.033 225.933,99.822 225.806,99.949 0,99.949
GND on Bottom Layer "GND_L02_P001" (solid, remove dead copper, pour order 1): -0.127,10.033 225.933,10.033 225.933,99.822 225.806,99.949 0,99.949

## Keep-outs
Keep-Out Layer:
  lines w0.2: 0,10 226,10 226,100 196.864,100 196.864,78.359 178.703,78.359 178.703,100 0,100 0,10 ; 178.957,25.654 178.957,55.88 197.118,55.88 197.118,25.654 178.957,25.654

## Other copper
Top Layer:
  rectangle net NetC166_2: 162.258,42.545 164.592,45.847
  rectangle net NetC30_2: 152.781,56.896 158.75,62.865
  rectangle net NetC41_2: 168.322,75.565 177.593,84.201
  rectangle net NetC31_1: 152.781,70.896 158.75,77.216
  rectangle net GND: 216.583,31.999 218.186,38.1
  pour cut-out: 114.173,76.835 118.237,71.501 118.237,36.576 114.173,32.512 6.83,32.512 6.708,88.138 114.173,88.138
Bottom Layer:
  rectangle net NetC166_2: 162.258,42.482 164.592,45.847
  rectangle net NetC41_2: 168.289,75.565 177.56,81.577
  rectangle net NetC41_2: 152.527,64.897 158.369,69.342